# Altium PCB UmTRXv21.PcbDoc (part 8 of 19)
Units mm, origin at the board's own origin, x right, y up, seen from the top; angles counter-clockwise.
Board outline 159.5 x 99.5 mm, 6 copper layers (Top Layer, GND, MidLayer1, Mid-Layer 2, InternalPlane2, Bottom Layer), stack 1.526 mm thick; 716 components, 578 nets, 2850 pads, 1402 vias.
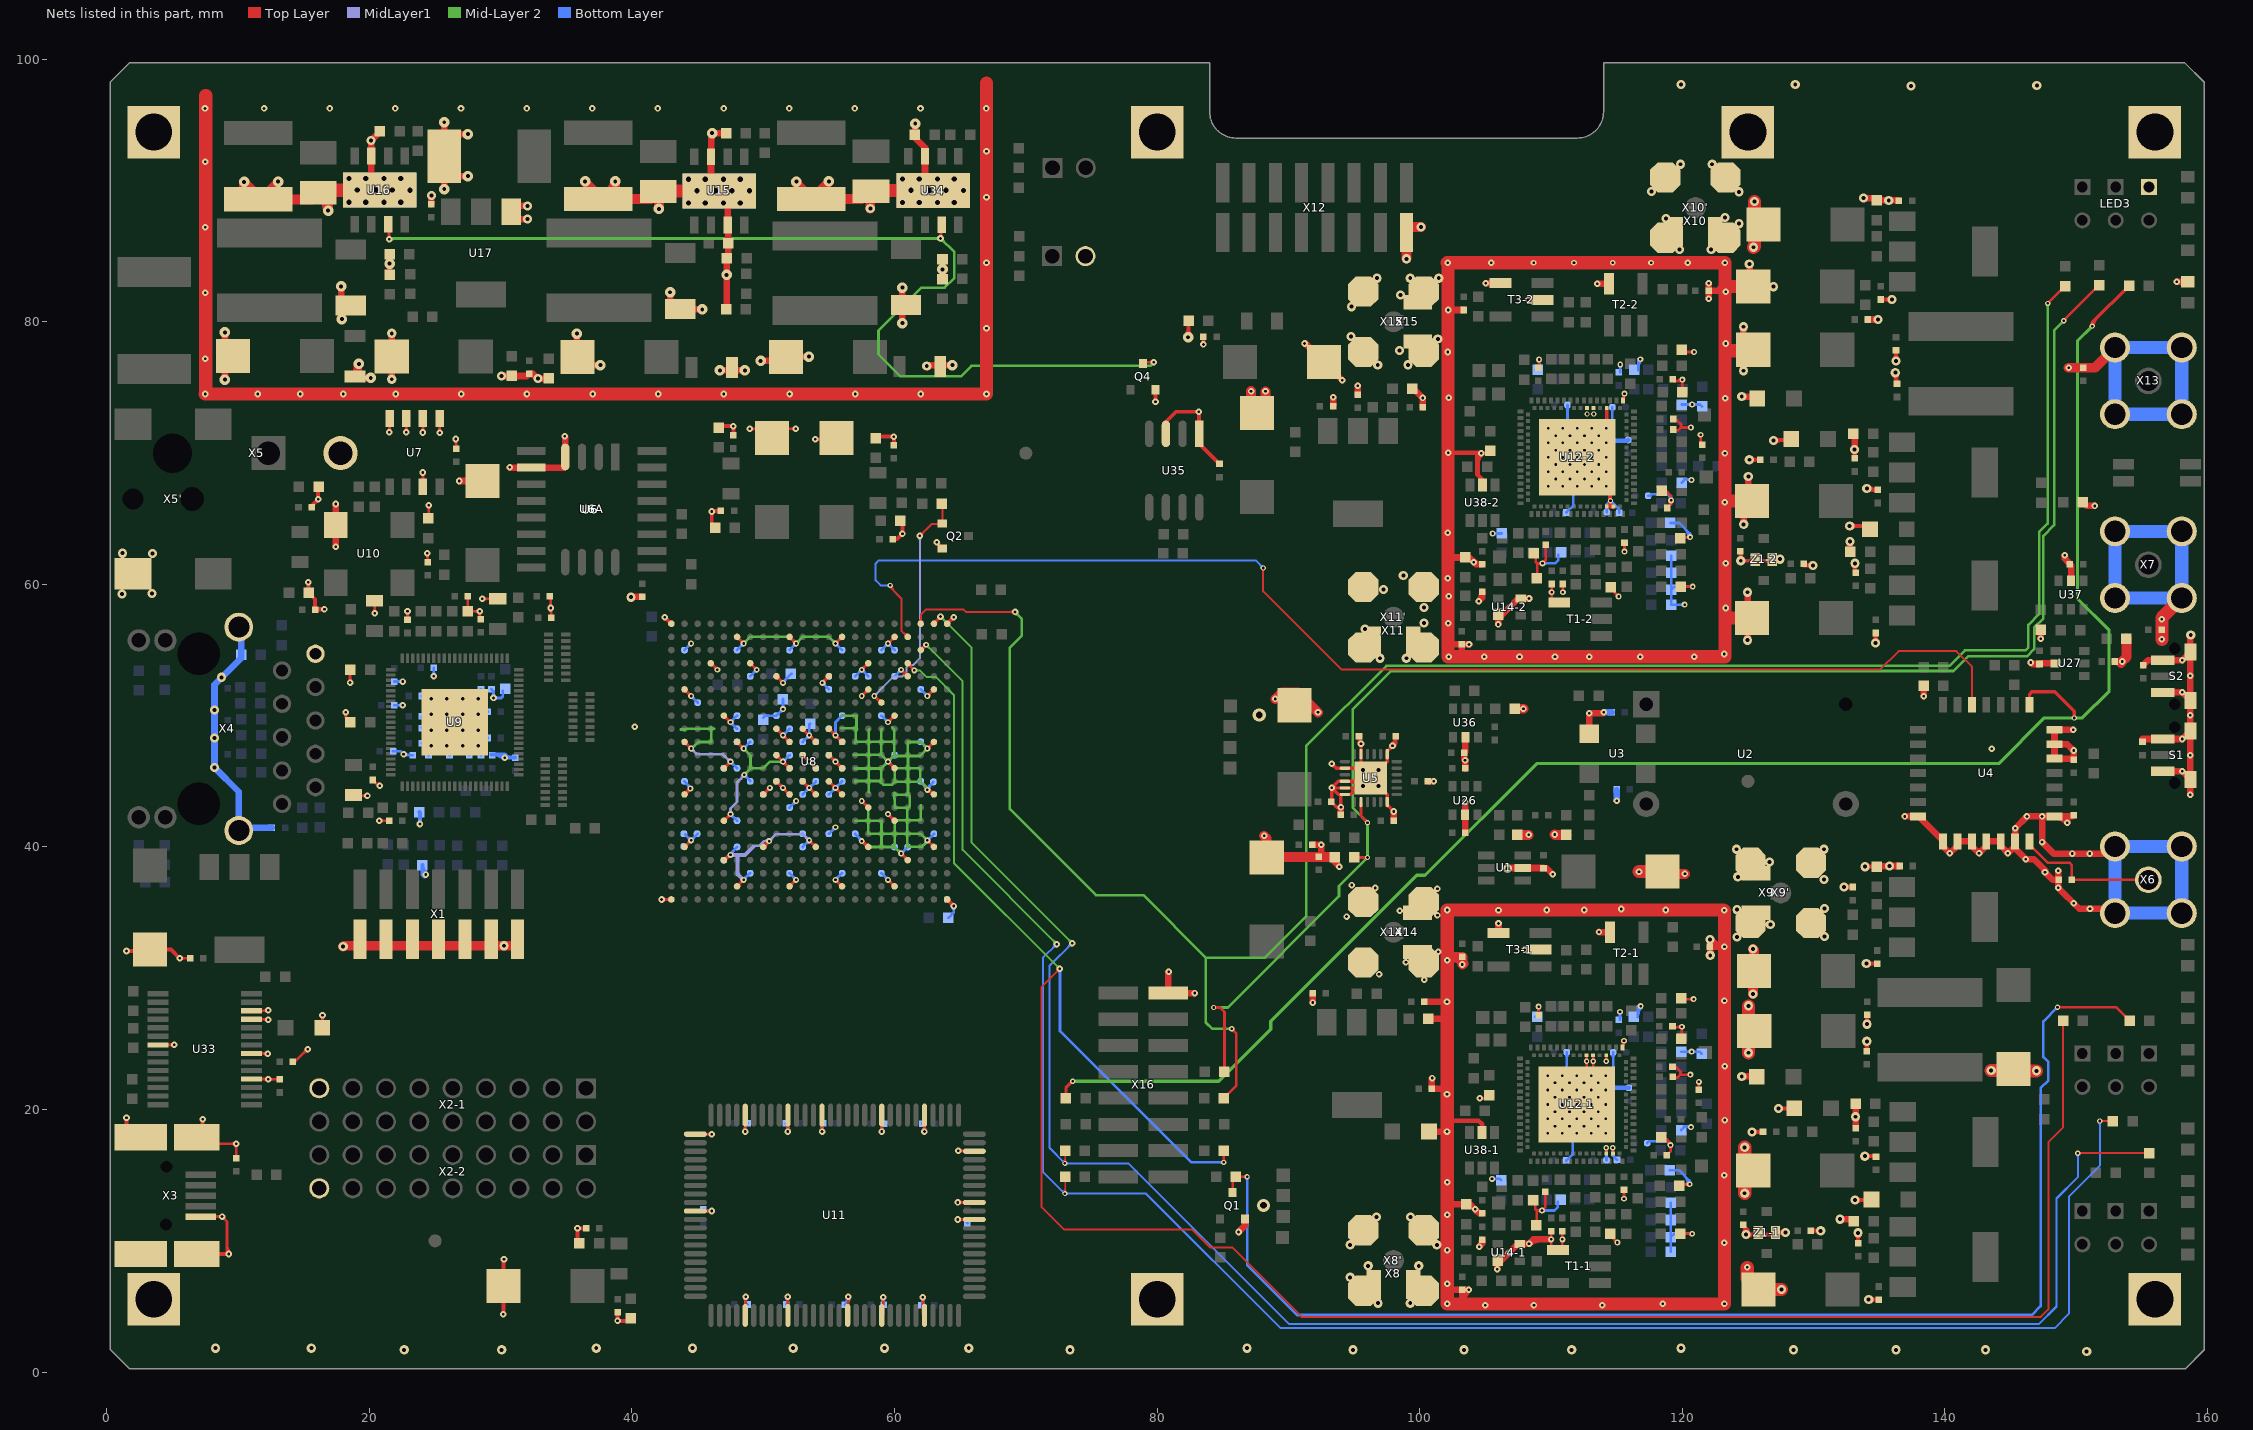
[diagram p12: the nets of this part, all layers, seen from the top]

## Via types
v1: diameter 0.45, hole 0.2, Top Layer to Bottom Layer, tented both sides, 440 vias
v2: diameter 0.5, hole 0.2, Top Layer to Bottom Layer, tented both sides, 423 vias
v3: diameter 0.7, hole 0.3, Top Layer to Bottom Layer, tented both sides, 257 vias
v4: diameter 0.4, hole 0.2, Top Layer to Bottom Layer, tented both sides, 197 vias
v5: diameter 0.8, hole 0.3, Top Layer to Bottom Layer, tented both sides, 63 vias
v6: diameter 0.6, hole 0.25, Top Layer to Bottom Layer, tented both sides, 16 vias
v7: diameter 0.6, hole 0.3, Top Layer to Bottom Layer, tented both sides, 4 vias
v8: diameter 1, hole 0.5, Top Layer to Bottom Layer, tented both sides, 2 vias

## Nets (pads, with @x,y where several pads share a name; then routed paths per layer and width w, separated by ;. In a path a pad name is that pad's centre, name@x,y a point inside that pad or via, vN(x,y) a via of type N, cw(c..) or ccw(c..) an arc to the next point about the centre after c; other vN are vias at no path point) (continued)
GND: (continued)
  Top Layer w0.5: v5(9,75.6) 9,76.5 9.9,77.4 9,78.3 v5(9,79.2) ; v2(17.425,62.875) 17.435,62.885 U10.2@17.435,64.525 17.435,66.115 v2(17.425,66.125) ; v5(17.85,82.7) 17.85,81.44 17.9,81.39 v5(17.9,80.2) ; v5@19.051,76.787 cw(c17.843,76.682) C137.2@18.7,75.825 ; v5(19.2,76.8) 19.2,76.325 C137.2@18.7,75.825 ; C137.2@19.678,75.7 ccw(c19.678,76.147) v5@19.994,75.831 ; v5@19.9,75.7 18.825,75.7 C137.2@18.7,75.825 ; U16.0@20.383,90.034 20.2,90.217 20.2,90.75 20.148,90.802 20.148,93.777 v3(20.125,93.8) 20.9,94.575 20.675,94.575 R129.1@20.725,94.525 ; v3(21.7,75.625) C138.2@21.7,77.35 v3(21.7,79.125) ; C120.2@24.725,88.95 v3(24.725,89.625) ; v5(25.7,90.1) D4.1@25.7,91.1 ; v5(25.7,95.2) D4.1@25.7,94.3 ; v2(26.85,67.875) C38.2@28.625,67.875 ; v5(27.5,91.1) D4.1@25.7,91.1 ; v5(27.5,94.3) D4.1@25.7,94.3 ; v3@30.025,75.9 v3(30.05,75.875) C154.2@30.85,75.875 32,75.875 C148.2@32.175,76.05 ; v2@30.7,68.9 U6A.10@32.325,68.9 U6.4@34.85,68.9 ; U17.1@30.875,88.825 v3(32.05,88.825) ; U17.1@31.125,87.825 v3(32.05,87.825) ; v3@32.756,75.641 ccw(c32.175,75.433) C148.2@32.175,76.05 ; R138.2@33.675,75.7 33.65,75.675 v3(32.85,75.675) 32.475,76.05 C148.2@32.175,76.05 ; U6.4@34.92,69.7 v2@34.92,71.23 ; v5(35.8,79.1) 35.8,77.375 C141.2@35.85,77.325 36.475,76.7 v5(37.6,76.7) ; v3(39.925,59.025) 39.95,59.05 C25.2@40.775,59.05 ; v5(42.9,82.25) 42.9,80.95 v5(45.35,80.95) ; 46.05,93.892 cw(c46.583,93.892) v5@46.206,94.269 ; v5(46.7,76.3) v5(48.6,76.3) ; R128.1@47,94.375 v5(46.1,94.375) 46.05,94.325 46.05,92.615 U15.7@46.015,92.58 46.015,90.61 U15.0@46.65,89.975 47.285,89.34 U15.3@47.285,87.37 ; R131.2@47.215,81.05 47.215,84.74 47.343,84.868 U15.3@47.343,87.329 ; v5(49.8,77.025) C131.2@51.15,77.025 ; C131.2@51.875,77.35 v5(53.475,77.35) ; v5(60.6,79.9) v5(60.6,82.6) ; R168.1@61.55,94.25 61.55,94.025 62.325,93.25 62.325,92.615 U34.7@62.315,92.605 62.315,90.635 U34.0@62.95,90 ; R168.1@61.575,94.25 v5(61.575,95.1) ; v3(62.45,76.625) 62.525,76.7 v5(64.4,76.7) ; v3@62.521,76.554 cw(c62.872,76.203) 62.872,76.7 ; v2(80.875,30.5) 80.85,30.475 X16.15@80.85,28.875 v2(82.85,28.875) ; v2(86.2,10.675) 86.7,11.175 Q1.2@86.7,11.675 ; v2(91.225,78.35) 91.3,78.35 v2(94.1,75.55) ; C24.2@91.8,40.175 v2(92.5,40.175) ; v2(91.85,28.15) C7.2@91.85,28.875 ; C4.2@92.5,39.225 v2(92.5,40.175) ; C127.2@93.4,73.575 v2(93.4,74.25) ; C15.1@93.987,42.45 93.987,43.012 v2(94,43.025) ; C139.2@95.275,74.45 v2(95.275,75.125) ; X14'.2@95.6,36.725 X14'.2@96.175,36.725 ; C14.1@98.025,42 v2(98.025,42.7) ; R135.2@99.425,75 v2(100.225,74.2) C135.2@100.225,73.5 ; C278.2@100.357,28.204 102.079,28.204 v2@102.1,28.225 ; C22.2@100.6,45 v2(101.075,45) ; R5.1@100.657,26.904 102.071,26.904 102.1,26.875 ; C12.2@100.8,18.325 v2(102.075,18.325) v2@102.1,18.35 ; v2@100.925,22.375 C13.2@100.925,21.575 102.023,21.575 102.1,21.652 ; 102.1,6.275 ESD3-1.1@103.225,6.275 ; 102.1,12.775 C100-1.1@103.525,12.775 103.85,12.775 v2(104.225,12.4) ; 102.128,60.064 102.139,60.075 ; 102.139,62.05 C100-2.1@103.45,62.05 ; v2@102.139,80.925 102.164,80.9 ESD5-2.1@103.35,80.9 v2(102.175,80.9) ; 102.164,55.425 ESD3-2.1@103.2,55.425 ; 103.2,5.2 103.225,5.225 ESD3-1.1@103.225,6.275 ; 103.225,5.112 cw(c104.827,5.112) v2(103.725,6.275) ESD3-1.1@103.225,6.275 ; 103.25,54.5 103.2,54.55 ESD3-2.1@103.2,55.425 ; C292.1@103.45,45.975 v2(103.45,46.6) 103.4,46.65 C294.1@103.4,47.175 103.475,47.25 U36.2@103.475,48.365 ; C290.2@103.475,41.1 103.475,42.416 U26.2@103.451,42.44 103.451,43.401 v2(103.475,43.425) ; v2(103.75,55.425) ESD3-2.1@103.2,55.425 ; C301-2.2@104.547,61.525 cw(c104.547,62.122) v2(104.125,61.7) ; C67-2.1@104.75,59.329 cw(c103.896,59.329) v2(104.5,58.725) 104.75,58.975 C67-2.1@104.75,59.425 ; C301-2.2@104.775,61.525 104.3,61.525 v2(104.125,61.7) ; v2(105.025,82.95) 105.03,82.945 T3-2.6@106.15,82.945 ; T3-1.6@106,33.445 v2(106,34.175) ; U14-1.2@106.165,8.465 ccw(c106.805,7.825) v2(105.9,7.825) 105.9,8.2 v2(106.8,9.1) 107.475,9.775 v2(108.325,9.775) ; U14-2.2@106.293,57.718 ccw(c107.061,56.95) v2(105.975,56.95) 105.975,57.4 v2(106.85,58.275) 107.5,58.925 v2(108.325,58.925) ; v3(106.675,38.35) 106.725,38.4 U1.2@107.835,38.4 109.4,38.4 C275.1@109.425,38.375 109.675,38.375 v2(110.125,37.925) ; v3@106.746,38.279 cw(c107.037,37.988) 107.037,38.4 ; v2(108,32.175) T3-1.2@109.2,32.175 ; v2(108.25,81.675) T3-2.2@109.35,81.675 ; 109.139,10.112 ccw(c109.139,8.961) v2(108.325,9.775) ; v1@110.007,10.112 108.662,10.112 v2(108.325,9.775) ; U3.2@112.9,48.623 112.9,50.15 v2(112.925,50.175) 113.95,50.175 v2(114.025,50.25) ; v2(113.525,82.9) T2-2.4@114.43,82.9 ; v1(113.655,33.525) 113.68,33.5 T2-1.4@114.505,33.5 ; v2(122,81.75) ESD4-2.1@122,82.35 ; v2(122,82.95) ESD4-2.1@122,82.35 ; ESD4-1.1@122.1,32.4 ESD4-1.1@122.125,32.4 ; v3(122.1,32.95) 122.125,32.925 ESD4-1.1@122.125,32.4 ; v3(122.125,31.75) ESD4-1.1@122.125,32.4 ; v3@122.187,32.999 ccw(c123.208,33.57) v2(123.208,32.4) ESD4-1.1@122.125,32.4 ; 123.247,82.75 122.847,82.35 ESD4-2.1@122,82.35 ; v3(124.525,22.525) C51-1.2@125.675,22.525 ; v3(124.525,74.3) C51-2.2@125.65,74.3 ; v3(124.654,76.274) 124.654,77.8 v3(124.654,79.624) ; v3(124.675,64.575) 124.675,66 C53-2.2@125.025,66.35 ; v3(124.975,55.75) 124.975,57.45 v3(124.975,59.4) ; C53-2.2@125.025,66.625 v3(125.025,68.225) ; v3@125.029,84.329 cw(c124.738,84.038) 125.15,84.038 ; v3(125.1,84.4) 125.15,84.35 125.15,82.7 125.175,82.675 v3(126.95,82.675) ; v3(132.007,11.652) R96-1.1@132.989,11.652 ; R96-2.1@132.739,62.647 132.739,63.239 v3(132.775,63.275) ; v3@133.125,70.358 R97-2.1@133.125,71.517 ; 133.2,18.855 v3(133.2,19.45) R97-1.1@133.2,20.098 ; v3(133.8,89.425) R98-2.1@134.897,89.425 ; C50-2.2@134.125,80.175 v3(134.9,80.175) ; R98-1.1@134.7,38.538 v3@135.675,38.538 ; R98-2.1@134.725,89.25 R98-2.1@134.825,89.25 C72-2.2@136.5,89.25 ; v3(135.775,38.55) C72-1.2@136.542,38.55 ; v2(136.95,42.325) U4.21@137.95,42.325 138,42.325 U4.22@139.85,40.475 ; v2(138.375,51.475) R66.1@138.375,52.275 ; U4.22@139.85,40.425 139.85,40.05 v2(140.375,39.525) 140.95,40.1 U4.23@140.95,40.425 U4.24@142.05,40.425 142.05,40.075 v2(142.6,39.525) 143.15,40.075 U4.25@143.15,40.425 U4.26@144.25,40.425 144.25,40.1 144.8,39.55 v2(144.8,39.525) U4.27@145.35,40.075 ; 146.796,53.938 cw(c146.796,54.321) v2(146.525,54.05) 146.637,53.938 C291.2@147.205,53.938 147.255,53.988 U27.2@148.445,53.988 ; v2(147.3,55.85) R123.2@147.3,56.55 ; 147.519,38.331 cw(c147.263,38.075) v2(147.625,38.075) ; v2(148.625,38.175) ESD1.2@148.625,37.5 ; ESD1.2@148.675,37.5 ESD1.2@148.625,37.5 ; C295.1@149.319,61.756 cw(c149.789,62.225) v2(149.125,62.225) 149.125,61.95 C295.1@149.525,61.55 149.613,61.462 U37.2@149.613,60.28 ; v2(149.775,48.925) U4.7@148.35,48.925 U4.6@148.35,47.825 ; C10.2@149.8,42.425 149.7,42.325 149.325,42.325 ; R159.1@150.5,66.275 150.8,65.975 v2(151.425,65.975) ; C293.1@152.95,54.125 v2(153.5,54.125) ; X6.2@152.96,39.5 v2(151.025,39.5) v2(149.7,39.5) 148.275,39.5 v2(147.4,40.375) v2(147.4,42.325) ; X6.2@153,35.3 v2(151.05,35.3) 150.225,35.3 v2(148.625,36.9) ESD1.2@148.625,37.5 ; C26.2@155.05,48.225 S1.2@156.6,48.225 v2(158.075,48.225) S1.3@158.7,48.85 ; C43.1@155.1,53.85 155.475,54.225 S2.2@156.6,54.225 v2(158.075,54.225) S2.3@158.7,54.85 ; S1.2@156.6,45.775 v2(158.075,45.775) S1.4@158.7,45.15 ; S2.2@156.6,51.775 v2(158.075,51.775) S2.4@158.7,51.15 ; v2(157.65,83.05) LED3A'.1@158.5,83.05 ; v2(158.675,43.975) 158.7,44 S1.4@158.7,45.15 ; v3(158.725,56.15) 158.7,56.125 S2.3@158.7,54.85 ; D4.1@25.7,91.1 D4.1@25.7,94.3 ; C100-2.1@103.45,62.05 cw(c103.45,61.224) v2(104.125,61.7) ; C100-2.1@103.45,62.05 103.775,62.05 v2(104.125,61.7) ; v2(104.225,12.4) ccw(c104.75,12.709) C301-1.2@104.75,12.1 104.525,12.1 v2(104.225,12.4) ; U4.27@145.35,40.075 U4.27@145.35,40.425 v2(145.35,41.425) v2(146.25,42.325) v2(147.4,42.325) ; U4.27@145.35,40.075 145.35,39.875 v2(146.15,39.075) 146.775,39.075 147.625,38.225 v2(147.625,38.075) ; v2(147.4,42.325) U4.1@148.35,42.325 ; v2(147.625,38.075) 148.2,37.5 ESD1.2@148.625,37.5 ; U4.1@148.35,42.325 cw(c148.35,41.087) v2(149.325,41.85) 149.325,42.325 ; U4.1@148.35,42.325 149.325,42.325 ; U4.6@148.35,47.825 U4.5@148.35,46.725 149.725,46.725 C11.2@149.8,46.65 v2(149.8,47.35) 149.325,47.825 U4.6@148.35,47.825 ; S1.4@158.7,45.15 v2(158.7,46.975) S1.3@158.7,48.85 ; S1.3@158.7,48.85 v2(158.7,50.025) S2.4@158.7,51.15 ; S2.4@158.7,51.15 v2(158.7,53.05) S2.3@158.7,54.85 ; C19.2@93.525,38.85 C19.2@93.525,39.225 ccw(c94.451,39.225) v2(93.875,38.5) C19.2@93.525,38.85 ; v2(104.525,9.55) ccw(c104.025,10.075) C67-1.1@104.75,10.075 104.75,9.775 v2(104.525,9.55)
  Top Layer w0.75: C116.2@10.45,89.925 v5(10.45,90.65) C116.2@11.775,89.325 ; v5(13.05,90.675) 13.05,90.6 C116.2@11.775,89.325 ; C119.2@16.382,89.544 cw(c15.314,88.475) v5@16.825,88.475 ; v5(16.85,88.475) 16.85,89.076 C119.2@16.1,89.826 15.599,89.325 C116.2@11.775,89.325 ; v3(18,32.425) 18.05,32.475 v3(30.25,32.475) 31.275,32.475 X1.13@31.275,32.975 ; v5(36.425,90.7) 36.425,90.65 C115.2@37.725,89.35 ; C115.2@38.435,90.06 ccw(c37.795,90.7) v5@38.7,90.7 ; v5(38.725,90.7) 38.725,90.35 C115.2@37.725,89.35 ; v5(42.05,88.6) 42.05,89.876 C118.2@42,89.926 41.424,89.35 C115.2@37.725,89.35 ; v5(52.525,90.675) 52.525,90.525 C114.2@53.7,89.35 ; v5(55,90.7) 55,90.65 C114.2@53.7,89.35 ; v3(58.15,88.625) 58.15,89.876 58.075,89.951 57.474,89.35 C114.2@53.7,89.35 ; v2(87.15,74.725) 87.15,73.5 C146.2@87.6,73.05 ; C146.2@88.137,72.512 88.25,72.625 v2(88.25,74.7) ; v2(88.15,40.85) 88.35,40.65 C6.2@88.35,39.2 ; C6.2@88.35,39.225 92.5,39.225 C19.2@93.525,39.225 ; v2(89,51.275) 89.5,51.775 90.725,51.775 v2(92.25,50.25) ; v3(99,84.8) X12.15@99,85.35 ; X12.15@99,87.225 v3(100.1,87.225) ; v2@102,31.45 cw(c102.35,31.188) 102.35,31.625 ; v2@102.012,31.463 cw(c102.402,31.073) 102.402,31.625 ; v2(102.1,31.375) 102.35,31.625 ; v2(103.25,31.05) ESD5-1.1@103.25,31.625 102.35,31.625 ; v2@103.35,31.125 ccw(c102.35,30.375) 102.35,31.625 ; R155.2@107.25,50.525 v2(107.9,50.525) ; R157.2@107.425,40.925 v2(108.3,40.925) ; v2(110.275,40.95) 110.3,40.925 R12.1@111.175,40.925 ; C9.2@118.925,37.95 v2(120.2,37.95) ; v3(125.375,28.8) 125.375,30.475 C54-1.2@125.45,30.55 125.45,32.15 v3(125.375,32.225) ; v2(149.425,76.5) 151.42,76.5 X13.2@152.96,78.04 ; v2@153.4,54.025 v2(153.5,54.125) 153.825,54.45 R153.1@153.825,55.875
  Top Layer w1: v2(7.5,74.5) v2(11.5,74.5) v2(14.725,74.5) v2(18,74.5) v2(22,74.5) v2(27,74.5) v2(32,74.5) v2(37,74.5) v2(42,74.5) v2(47,74.5) v2(52,74.5) v2(57,74.5) v2(62,74.5) v2(67,74.5) v2(67,79.5) v2(67,84.5) v2(67,89.5) v2(67,93) 67,98.2 ; v2@7.533,74.55 7.533,97.25 ; C119.2@16.1,89.826 C119.2@16.308,90.034 ; C119.2@16.3,90.025 U16.0@20.875,90.025 ; C118.2@42,89.926 42.049,89.975 U15.0@46.65,89.975 ; C117.2@58.075,89.951 58.124,90 U34.0@62.95,90 ; v2@102.1,84.5 v2(102.139,84.5) ; v2@102.15,54.6 v2@102.15,54.5 ; v2(104.9,54.5) 103.25,54.5 v2(102.2,54.5) v2@102.15,54.5 ; v2(116.7,38.125) C9.2@118.5,38.125 ; 123.123,82.477 cw(c123.662,81.938) 123.662,82.7 ; v2@123.25,84.5 v2(123.247,84.5) ; v2@123.297,66.35 C53-2.2@125.9,66.35 ; 123.3,77.8 124.654,77.8 C64-2.2@125.154,77.8 ; v3(124.75,13.625) C53-1.2@124.75,16 ; v3(124.75,17.125) C53-1.2@124.75,16 ; v2(124.95,7.975) 124.95,7.15 C52-1.2@125.8,6.3 ; v3(125.05,24.325) C64-1.2@125.05,26.308 ; v3(125.05,27.9) C64-1.2@125.05,26.4 ; C52-1.2@125.058,6.3 v3(127.55,6.3) ; C53-1.2@125.4,15.35 C53-1.2@124.75,16 ; v3(125.431,85.679) 125.5,85.748 125.5,87.3 125.575,87.375 125.5,87.45 v3(125.5,89.175) ; C64-1.2@125.675,26.308 C64-1.2@125.142,26.308 ; C52-2.2@125.75,57.45 C52-2.2@125.3,57.45 124.975,57.45 123.297,57.45 123.247,57.5 ; C54-2.2@125.9,82.7 C54-2.2@125.4,82.7 125.15,82.7 123.297,82.7 123.247,82.75 ; v3(143.525,22.975) C169-1.2@145.3,22.975 ; C169-1.2@145.15,22.95 v3(146.975,22.95) ; v2(156.525,55.825) v2(156.525,57.35) 156.525,57.445 X7.2@158.04,58.96 ; v2@102.139,54.492 102.139,60.075 102.139,62.05 v2(102.139,63.925) 102.139,69.975 v2(102.139,77.7) 102.139,80.925 v2(102.139,84.5) ; v2@102.139,54.492 102.147,54.5 v2@102.15,54.5 ; v2@102.139,54.492 v2@102.15,54.492 ; v2(102.139,84.5) v2(105.45,84.5) v1(108.675,84.5) v1(111.75,84.5) v1(114.7,84.5) v1(117.625,84.5) v2(120.425,84.5) v2(123.247,84.5) ; v2@102.15,54.492 v2@102.15,54.5 ; v2@102.15,54.492 v2(110.3,54.492) 123.247,54.492 123.247,57.5 ; 123.247,57.5 v2(123.247,69.975) 123.247,82.75 ; 123.247,82.75 v2(123.247,84.5) ; C64-1.2@125.05,26.308 C64-1.2@125.05,26.4 ; C64-1.2@125.05,26.308 C64-1.2@125.142,26.308 ; C64-1.2@125.05,26.4 C64-1.2@125.142,26.308 ; v2(102.1,5.2) 103.2,5.2 v2(118.5,5.2) v2(123.208,5.2) v2(123.208,28.3) v2(123.208,32.4) 123.208,35.142 123.15,35.2 v2(118.725,35.2) v2(112.525,35.2) v2(109.675,35.2) v2(102.1,35.2) v2(102.1,31.375) 102.1,28.225 102.1,26.875 102.1,21.652 102.1,19.15 102.1,18.35 v2(102.1,14.45) 102.1,12.775 v2(102.1,11.975) v2(102.1,6.725) 102.1,6.275 v2(102.1,5.2)
  Mid-Layer 2 w0.2: 43.725,48.95 44.075,48.95 44.125,49 46.05,49 ; v1@44.5,47.625 ccw(c44.5,48.047) 44.799,47.749 ; 44.725,47.675 45.05,48 46.05,48 46.05,49 ; 46.05,49.1 46.05,49 ; 46.275,49 46.05,49 ; v1@48.5,47.375 cw(c48.5,47.073) 48.713,47.287 cw(c48.927,47.5) v1@48.625,47.5 ; v1(48.5,47.5) 49.03,46.97 49.03,45.98 ; v1(48.5,55.5) 49.025,56.025 51.975,56.025 v1(52.5,55.5) 53.025,56.025 54.975,56.025 v1(55.5,55.5) ; v1@48.5,55.625 ccw(c48.5,55.927) 48.713,55.713 ccw(c48.927,55.5) v1@48.625,55.5 ; v1(48.55,45.5) 49.03,45.98 ; v1@48.55,45.625 ccw(c48.55,45.927) 48.763,45.713 ccw(c48.977,45.5) v1@48.675,45.5 ; v1@51.412,46.412 ccw(c51.198,46.198) 51.198,46.5 ccw(c51.198,46.802) v1@51.412,46.588 ; v1(51.5,46.5) 50.5,46.5 50,46 49.05,46 49.03,45.98 ; v1@52.375,55.5 ccw(c52.073,55.5) 52.287,55.713 ccw(c52.5,55.927) 52.5,55.625 ccw(c52.5,55.927) 52.713,55.713 ccw(c52.927,55.5) v1@52.625,55.5 ; v1@55.375,55.5 ccw(c55.073,55.5) 55.287,55.713 ccw(c55.5,55.927) v1@55.5,55.625 ; 55.95,49.05 57.025,49.05 ; 56,50 57.1,50 57.1,48.9 ; 56.9,47.025 58.025,47.025 ; 56.975,45.975 58.025,45.975 ; 56.975,47.95 57.05,48.025 ; 57,42 58,42 ; 57,44.95 57,45.025 58.025,45.025 ; 57.05,49.025 57.05,48.025 ; v1@57.5,40.325 cw(c57.5,39.902) 57.799,40.201 ; v1(57.5,40.45) 57.55,40.45 58,40 59,40 ; 58,43 58,42 ; 58.05,44.173 58.025,44.198 58.025,45.025 ; 58.075,48.95 58.025,48.9 58.025,48.025 ; 59.025,49 58.975,48.95 58.975,48.025 ; 59.825,49.1 59.975,48.95 59.975,48.025 ; 59.975,44.1 59.975,44.075 ; v1@60.375,39.5 ccw(c60.073,39.5) 60.287,39.713 ccw(c60.5,39.927) v1@60.5,39.625 ; v1(60.5,39.5) 60,40 ; 61.025,46.875 61.025,46 ; 61.324,44.975 61.025,44.975 ; 61.324,44.975 61.9,44.975 ; 61.9,46 61.025,46 ; 61.95,45.95 61.95,45.025 v1@62.5,44.475 ; 62,43.162 62,42.025 60.975,42.025 ; 62.198,44.777 cw(c61.771,44.35) v1@62.375,44.35 ; 62.234,40.159 ccw(c61.892,40.5) 62.375,40.5 ccw(c62.073,40.5) 62.287,40.713 ccw(c62.5,40.927) v1@62.5,40.625 ; v1@62.5,47.375 ccw(c62.5,47.073) 62.287,47.287 ccw(c62.073,47.5) 62.375,47.5 ccw(c62.073,47.5) 62.287,47.713 ccw(c62.5,47.927) v1@62.5,47.625 ; 57.05,48.025 58.025,48.025 ; 58,42 58,41 59,41 ; 58,42 59,42 59,41 ; 58.025,45.025 58.025,45.975 ; 58.025,45.025 58.875,45.025 58.975,44.925 ; 58.025,45.975 58.025,47.025 ; 58.025,45.975 58.975,45.975 ; 58.025,47.025 58.975,47.025 ; 58.025,47.025 58.025,48.025 ; 58.025,48.025 58.975,48.025 ; 58.975,44.925 58.975,45.975 ; 58.975,44.925 59.15,44.75 59.8,44.75 60,44.95 ; 58.975,45.975 v1(59.5,46.5) ; 58.975,47.025 58.975,48.025 ; 58.975,47.025 v1(59.5,46.5) ; 58.975,48.025 59.975,48.025 ; 59,40 59,41 ; 59,40 60,40 ; 59,41 60,41 ; v1(59.5,46.5) 59.925,46.925 ; v1(59.5,46.5) 60,46 ; 59.925,46.925 61,46.925 ; 59.925,46.925 59.975,46.975 59.975,48.025 ; 59.975,44.075 59.975,43.676 60,43.651 60,43 60.9,43 60.975,42.925 ; 59.975,44.075 60.05,44.075 60.15,43.975 61.05,43.975 ; 60,40 60,41 ; 60,41 60.975,41 ; 60,41 60,41.95 60.075,42.025 60.975,42.025 ; 60,44.95 60.025,44.975 60.626,44.975 61.025,44.975 ; 60,44.95 60,46 ; 60,46 61.025,46 ; 60.975,41 60.975,42.025 ; 60.975,41 60.975,40.025 62.1,40.025 62.5,40.425 v1(62.5,40.5) 62,41 60.975,41 ; 60.975,42.025 60.975,42.925 ; 60.975,42.925 61.15,43.1 61.15,43.875 61.05,43.975 ; 61,46.925 61,48 62,48 v1(62.5,47.5) 61.925,46.925 61,46.925 ; 61.025,44.975 61.025,46 ; 61.025,44.975 61.025,44 61.05,43.975 ; 59.287,46.287 cw(c59.5,46.073) 59.5,46.375 cw(c59.5,46.073) 59.713,46.287 cw(c59.927,46.5) 59.625,46.5 cw(c59.927,46.5) 59.713,46.713 cw(c59.5,46.927) 59.5,46.625 cw(c59.5,46.927) 59.287,46.713 cw(c59.073,46.5) 59.375,46.5 cw(c59.073,46.5) 59.287,46.287
  MidLayer1 w0.2: v1@44.5,47.375 cw(c44.5,47.073) 44.713,47.287 cw(c44.927,47.5) v1@44.625,47.5 ; v1(44.5,47.5) 44.948,47.052 46.923,47.052 v1@47.487,46.488 ; 47.244,46.731 ccw(c47.5,46.987) v1@47.5,46.625 ; 47.304,46.671 cw(c47.134,46.5) v1@47.375,46.5 ; v1@47.412,42.588 ccw(c47.198,42.802) 47.5,42.802 ccw(c47.802,42.802) v1@47.588,42.588 ; v1(47.5,42.5) 47.5,42.925 48,43.425 48,44.9 v1@48.575,45.475 ; 48.301,45.201 ccw(c48.003,45.5) v1@48.425,45.5 ; 49.25,40.05 49.281,40.081 49.681,40.081 50.05,40.45 v1(50.45,40.45) 50.975,40.975 53.025,40.975 v1(53.5,40.5) ; v1@50.362,40.362 ccw(c50.148,40.148) 50.148,40.45 ccw(c50.148,40.752) v1@50.362,40.538 ; v1@50.45,40.575 ccw(c50.45,40.877) 50.663,40.663 ccw(c50.877,40.45) v1@50.575,40.45 ; v1@53.375,40.5 ccw(c53.073,40.5) 53.287,40.713 ccw(c53.5,40.927) v1@53.5,40.625
  MidLayer1 w0.3: v1(47.5,39.4) 48.05,39.4 ; v1(48.5,37.5) 48.05,37.95 48.05,38.278 48.025,38.303 48.025,39.375 48.05,39.4 ; 49.25,40.05 48.6,39.4 48.05,39.4